# Allegro board RK_NVR_DEMO1_RK3588_LP4XD200P232SD8_V21_20211228_final_lint.brd (continued)
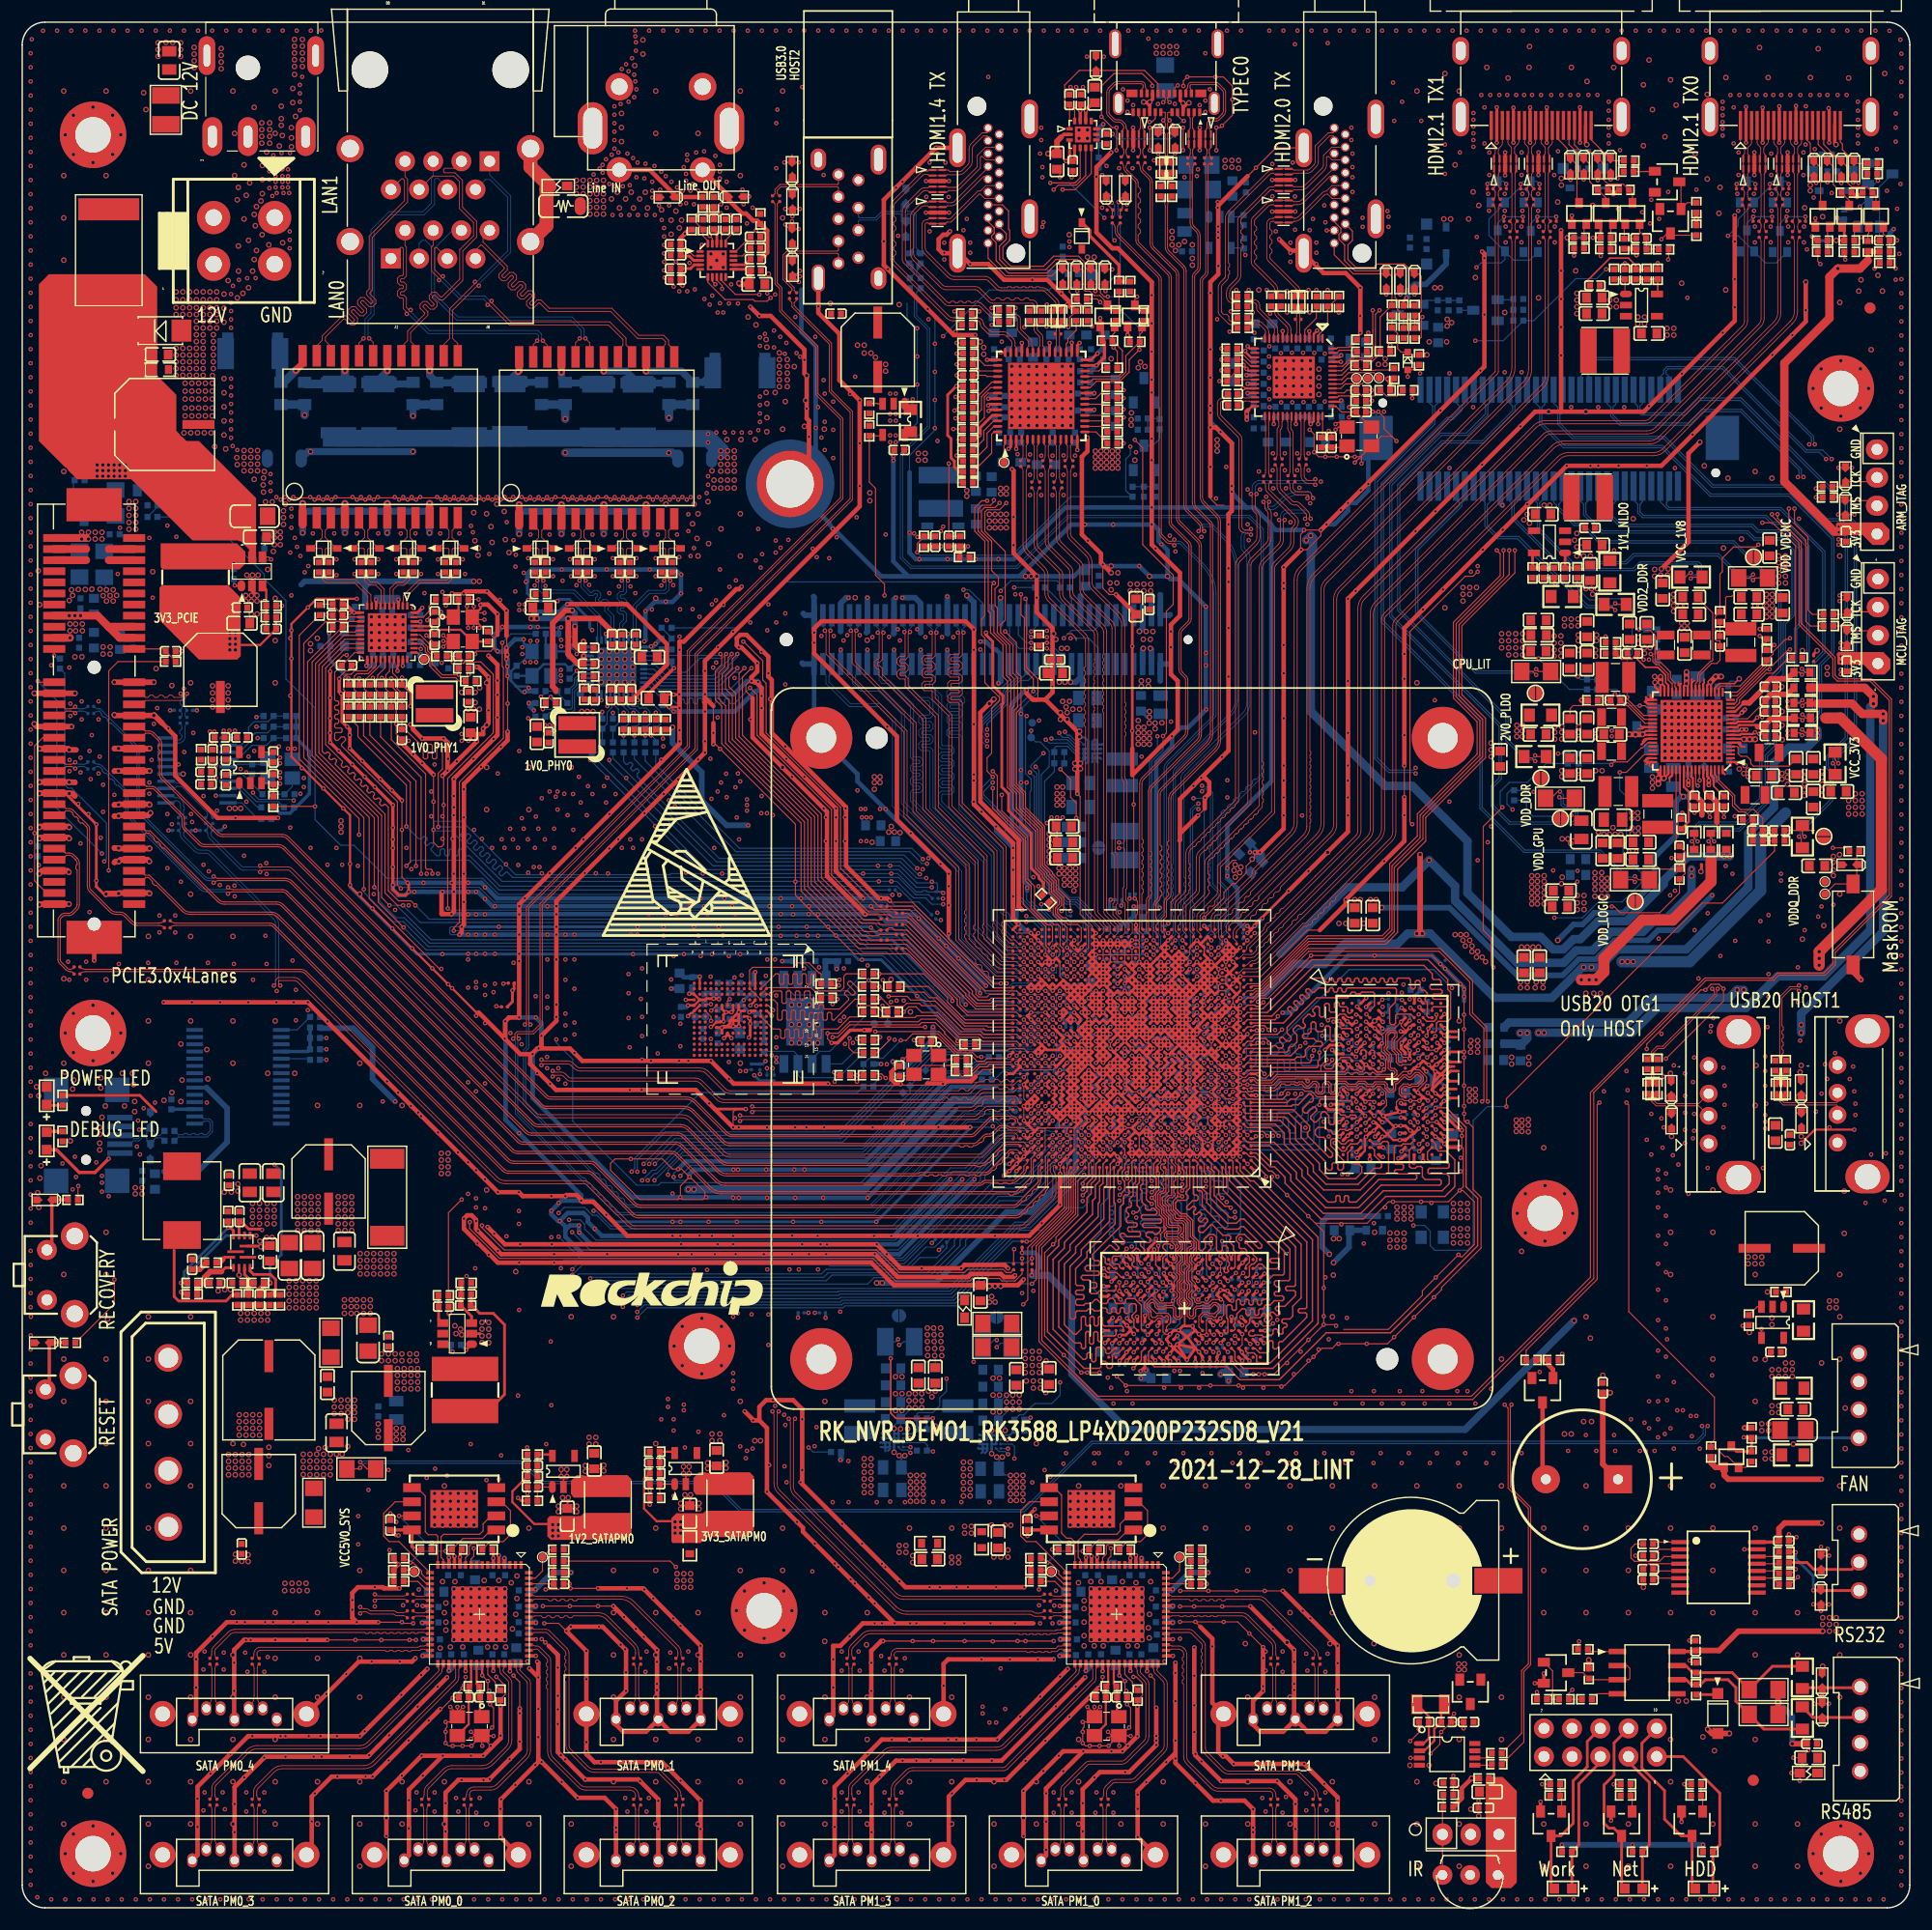
[diagram p0: board, top side]
## Footprints (pads in the part's own frame, mm; a bottom-side part is the same pattern mirrored in y, then rotated) (continued)
Y34(10.725,-1.625)
C0201
  custom 0.294x0.3 smd: 1(-0.25,0) 2(0.25,0)
C0402
  rect 0.55x0.55 smd: 1(-0.45,0) 2(0.45,0)
C0402_BGA
  custom 0.475x0.51 smd: 1(-0.47,0) 2(0.47,0)
C0603
  rect 0.8x0.9 smd: 1(-0.7,0) 2(0.7,0)
C0805
  rect 0.95x1.3 smd: 1(-0.825,0) 2(0.825,0)
C1206
  rect 1.4x1.6 smd: 1(-1.168,0) 2(1.168,0)
C1206L
  oval 1.016x1.626 smd: 1(-1.524,0) 2(1.524,0)
CN3M_2R54_V_DIP
  oval 1.8x2 hole 1: 1(0,0) 2(2.54,0) 3(5.08,0)
CN3M_2R54_V_P_DIP
  round 1.5 hole 1.02: 1(-2.54,0) 2(0,0) 3(2.54,0)
CN4M_2R54_V_DIP
  oval 1.8x2 hole 1: 1(0,0) 2(2.54,0) 3(5.08,0) 4(7.62,0)
CN4M_2R54_V_P_DIP
  round 1.5 hole 1.02: 1(-3.81,0) 2(-1.27,0) 3(1.27,0) 4(3.81,0)
CNN4F_4R20_V_H_DIP
  round 3 hole 1.5: 1(0,0) 2(4.2,0) 3(0,-5.5) 4(4.2,-5.5)
CNN10M_2R54_V_DIP
  round 1.8 hole 1: 1(-5.14,-1.343) 2(-5.14,1.197) 3(-2.6,-1.343) 4(-2.6,1.197) 5(-0.06,-1.343) 6(-0.06,1.197) 7(2.48,-1.343) 8(2.48,1.197) 9(5.02,-1.343) 10(5.02,1.197)
CNN60_0R80_B406
  round 0.8 hole 0.8 unplated: (-15,-3.15) (15,3.15)
  rect 0.55x2.35 smd: 1(-11.6,4.35) 3(-10.8,4.35) 5(-10,4.35) 7(-9.2,4.35) 9(-8.4,4.35) 11(-7.6,4.35) 13(-6.8,4.35) 15(-6,4.35) 17(-5.2,4.35) 19(-4.4,4.35) 21(-3.6,4.35) 23(-2.8,4.35) 25(-2,4.35) 27(-1.2,4.35) 29(-0.4,4.35) 31(0.4,4.35) 33(1.2,4.35) 35(2,4.35) 37(2.8,4.35) 39(3.6,4.35) 41(4.4,4.35) 43(5.2,4.35) 45(6,4.35) 47(6.8,4.35) 49(7.6,4.35) 51(8.4,4.35) 53(9.2,4.35) 55(10,4.35) 57(10.8,4.35) 59(11.6,4.35)
  rect 0.55x2.65 smd: 2(-11.6,-4.35) 4(-10.8,-4.35) 6(-10,-4.35) 8(-9.2,-4.35) 10(-8.4,-4.35) 12(-7.6,-4.35) 14(-6.8,-4.35) 16(-6,-4.35) 18(-5.2,-4.35) 20(-4.4,-4.35) 22(-3.6,-4.35) 24(-2.8,-4.35) 26(-2,-4.35) 28(-1.2,-4.35) 30(-0.4,-4.35) 32(0.4,-4.35) 34(1.2,-4.35) 36(2,-4.35) 38(2.8,-4.35) 40(3.6,-4.35) 42(4.4,-4.35) 44(5.2,-4.35) 46(6,-4.35) 48(6.8,-4.35) 50(7.6,-4.35) 52(8.4,-4.35) 54(9.2,-4.35) 56(10,-4.35) 58(10.8,-4.35) 60(11.6,-4.35)
  rect 3x4 smd: 61(15.6,0) 62(-15.6,0)
CNN80M_0R80_61082
  round 0.8 hole 0.8 unplated: (-18.1,0)
  round 1.2 hole 1.2 unplated: (18.1,0)
  rect 0.5x2 smd: 1(15.6,2.2) 2(15.6,-2.2) 3(14.8,2.2) 4(14.8,-2.2) 5(14,2.2) 6(14,-2.2) 7(13.2,2.2) 8(13.2,-2.2) 9(12.4,2.2) 10(12.4,-2.2) 11(11.6,2.2) 12(11.6,-2.2) 13(10.8,2.2) 14(10.8,-2.2) 15(10,2.2) 16(10,-2.2) 17(9.2,2.2) 18(9.2,-2.2) 19(8.4,2.2) 20(8.4,-2.2) 21(7.6,2.2) 22(7.6,-2.2) 23(6.8,2.2) 24(6.8,-2.2) 25(6,2.2) 26(6,-2.2) 27(5.2,2.2) 28(5.2,-2.2) 29(4.4,2.2) 30(4.4,-2.2) 31(3.6,2.2) 32(3.6,-2.2) 33(2.8,2.2) 34(2.8,-2.2) 35(2,2.2) 36(2,-2.2) 37(1.2,2.2) 38(1.2,-2.2) 39(0.4,2.2) 40(0.4,-2.2) 41(-0.4,2.2) 42(-0.4,-2.2) 43(-1.2,2.2) 44(-1.2,-2.2) 45(-2,2.2) 46(-2,-2.2) 47(-2.8,2.2) 48(-2.8,-2.2) 49(-3.6,2.2) 50(-3.6,-2.2) 51(-4.4,2.2) 52(-4.4,-2.2) 53(-5.2,2.2) 54(-5.2,-2.2) 55(-6,2.2) 56(-6,-2.2) 57(-6.8,2.2) 58(-6.8,-2.2) 59(-7.6,2.2) 60(-7.6,-2.2) 61(-8.4,2.2) 62(-8.4,-2.2) 63(-9.2,2.2) 64(-9.2,-2.2) 65(-10,2.2) 66(-10,-2.2) 67(-10.8,2.2) 68(-10.8,-2.2) 69(-11.6,2.2) 70(-11.6,-2.2) 71(-12.4,2.2) 72(-12.4,-2.2) 73(-13.2,2.2) 74(-13.2,-2.2) 75(-14,2.2) 76(-14,-2.2) 77(-14.8,2.2) 78(-14.8,-2.2) 79(-15.6,2.2) 80(-15.6,-2.2)
CRY2_3R20X1R50X0R90
  rect 1x1.8 smd: 1(-1.25,0) 2(1.25,0)
CRY4_3R20X2R50X0R80
  rect 1.4x1.2 smd: 1(-1.1,-0.85) 2(1.1,-0.85) 3(1.1,0.85) 4(-1.1,0.85)
DC3_DC_0007_5P
  round 2.2 hole 2.2 unplated: (4.1,0)
  oval 3.5x1.8 hole 2x0.8: 1(10.3,-3.2) 2(10.3,0) 3(10.3,5.2)
  oval 3.5x1.5 hole 2x0.6: 4(3,6.1) 5(3,-3.7)
DO_214AC
  rect 1.8x2 smd: 1(1.9,0) 2(-1.9,0)
E_C6
  rect 0.8x2.9 smd: 1(0,-2.45) 2(0,2.45)
E_E7
  rect 2.9x0.8 smd: 1(-3.05,0) 2(3.05,0)
ESD0402
  custom 0.868x0.636 smd: 1(-0.635,-0.02)
  custom 0.86x0.636 smd: 2(0.622,0)
F8050
  rect 2x5.5 smd: 1(-3.7,0) 2(3.7,0)
HDMIA19_51R019S
  round 1.7 hole 1.7 unplated: (-3.5,13.25) (0,0)
  round 0.8 hole 0.55: 1(-1,1.955) 2(-2,2.533) 3(-1,3.11) 4(-2,3.688) 5(-1,4.265) 6(-2,4.843) 7(-1,5.42) 8(-2,5.998) 9(-1,6.575) 10(-2,7.153) 11(-1,7.73) 12(-2,8.308) 13(-1,8.885) 14(-2,9.463) 15(-1,10.04) 16(-2,10.618) 17(-1,11.195) 18(-2,11.773) 19(-1,12.35)
  oval 1.5x3.5 hole 0.9x2.7: 20(1.75,13.25) 21(1.75,3.75) 22(-4.75,1.15) 23(-4.75,10.15)
HDMIA19_HDMI_01A
  rect 0.3x2.6 smd: 1(0,0) 2(0.5,0) 3(1,0) 4(1.5,0) 5(2,0) 6(2.5,0) 7(3,0) 8(3.5,0) 9(4,0) 10(4.5,0) 11(5,0) 12(5.5,0) 13(6,0) 14(6.5,0) 15(7,0) 16(7.5,0) 17(8,0) 18(8.5,0) 19(9,0)
  oval 1.5x3.5 hole 0.9x2.7: 20(11.75,0.76) 21(-2.75,0.76)
  oval 1.5x2.5 hole 0.9x1.7: 22(-2.75,6.72) 23(11.75,6.72)
HOLE_C3R20_C6R00
  round 6 hole 3.2: 1(0,0)
IJ3_IRM_3638
  round 1.778 hole 0.89: 1(-2.489,0) 2(0,0) 3(2.489,0)
IND_201610
  rect 0.8x1.6 smd: 1(-0.9,0) 2(0.9,0)
IND_303015
  rect 3.4x1.3 smd: 1(0,1.05) 2(0,-1.05)
IND_322512
  rect 1.2x2.8 smd: 1(-1.2,0) 2(1.2,0)
IND_404026
  rect 1.5x4 smd: 1(-1.5,0) 2(1.5,0)
IND_606045
  rect 2.2x6 smd: 1(-1.9,0) 2(1.9,0)
IND_707028
  rect 2.5x3.4 smd: 1(-3.1,0) 2(3.1,0)
L0603
  rect 0.965x0.8 smd: 1(-0.8,0) 2(0.8,0)
LED0603
  rect 0.9x0.9 smd: 1(-0.8,0) 2(0.8,0)
MARK
  round 1 smd: 1(0,0)
MLP14_2R50X2R50X0R80
  rect 0.6x0.3 smd: 1(-1.21,0.5) 2(-1.21,0) 3(-1.21,-0.5) 8(1.21,-0.5) 9(1.21,0) 10(1.21,0.5)
  rect 0.3x0.6 smd: 4(-0.75,-1.21) 5(-0.25,-1.21) 6(0.25,-1.21) 7(0.75,-1.21) 11(0.75,1.21) 12(0.25,1.21) 13(-0.25,1.21) 14(-0.75,1.21)
  rect 1.45x1.45 smd: 15(0,0)
OPEN
  custom 1.199x0.599 smd: 1(0,-0.343) 2(0,0.343)
PCIE64_X4_SMT
  round 1.2 hole 1.2 unplated: (0,0) (23.15,0)
  rect 3x5 smd: 1(-14.65,0) 2(24.35,0)
  rect 0.7x2 smd: A1(-11.65,3.6) A2(-10.65,3.6) A3(-9.65,3.6) A4(-8.65,3.6) A5(-7.65,3.6) A6(-6.65,3.6) A7(-5.65,3.6) A8(-4.65,3.6) A9(-3.65,3.6) A10(-2.65,3.6) A11(-1.65,3.6) A12(1.35,3.6) A13(2.35,3.6) A14(3.35,3.6) A15(4.35,3.6) A16(5.35,3.6) A17(6.35,3.6) A18(7.35,3.6) A19(8.35,3.6) A20(9.35,3.6) A21(10.35,3.6) A22(11.35,3.6) A23(12.35,3.6) A24(13.35,3.6) A25(14.35,3.6) A26(15.35,3.6) A27(16.35,3.6) A28(17.35,3.6) A29(18.35,3.6) A30(19.35,3.6) A31(20.35,3.6) A32(21.35,3.6) B1(-11.65,-3.6) B2(-10.65,-3.6) B3(-9.65,-3.6) B4(-8.65,-3.6) B5(-7.65,-3.6) B6(-6.65,-3.6) B7(-5.65,-3.6) B8(-4.65,-3.6) B9(-3.65,-3.6) B10(-2.65,-3.6) B11(-1.65,-3.6) B12(1.35,-3.6) B13(2.35,-3.6) B14(3.35,-3.6) B15(4.35,-3.6) B16(5.35,-3.6) B17(6.35,-3.6) B18(7.35,-3.6) B19(8.35,-3.6) B20(9.35,-3.6) B21(10.35,-3.6) B22(11.35,-3.6) B23(12.35,-3.6) B24(13.35,-3.6) B25(14.35,-3.6) B26(15.35,-3.6) B27(16.35,-3.6) B28(17.35,-3.6) B29(18.35,-3.6) B30(19.35,-3.6) B31(20.35,-3.6) B32(21.35,-3.6)
PJ3_RCA_2X1
  oval 2.7x4.7 hole 1.7x3.7: (-6.15,0) (6.15,0)
  round 2.5 hole 1.5: 1(-3.75,3.75) 4(3.75,3.75)
  round 2.3 hole 1.3: 2(-3.75,-3.75) 3(3.75,-3.75)
QFN12_2R00X3R00X1R00
  rect 1.5x0.25 smd: 1(-0.55,0.5) 2(-0.55,-0.5) 7(0.55,0)
  rect 0.25x0.7 smd: 3(-0.75,-1.45) 4(-0.25,-1.45) 5(0.25,-1.45) 6(0.75,-1.45) 9(0.75,1.45) 10(0.25,1.45) 11(-0.25,1.45) 12(-0.75,1.45)
  rect 0.7x0.25 smd: 8(0.95,0.5)
QFN20_3R00X3R00X0R55_T
  oval 0.7x0.25 smd: 1(-1.5,0.8)
  rect 0.7x0.25 smd: 2(-1.5,0.4) 3(-1.5,0) 4(-1.5,-0.4) 5(-1.5,-0.8) 11(1.5,-0.8) 12(1.5,-0.4) 13(1.5,0) 14(1.5,0.4) 15(1.5,0.8)
  rect 0.25x0.7 smd: 6(-0.8,-1.5) 7(-0.4,-1.5) 8(0,-1.5) 9(0.4,-1.5) 10(0.8,-1.5) 16(0.8,1.5) 17(0.4,1.5) 18(0,1.5) 19(-0.4,1.5) 20(-0.8,1.5)
  rect 1.8x1.8 smd: 21(0,0)
QFN40_5R00X5R00X0R90_T
  rect 0.65x0.23 smd: 1(-2.4,1.8) 2(-2.4,1.4) 3(-2.4,1) 4(-2.4,0.6) 5(-2.4,0.2) 6(-2.4,-0.2) 7(-2.4,-0.6) 8(-2.4,-1) 9(-2.4,-1.4) 10(-2.4,-1.8) 21(2.4,-1.8) 22(2.4,-1.4) 23(2.4,-1) 24(2.4,-0.6) 25(2.4,-0.2) 26(2.4,0.2) 27(2.4,0.6) 28(2.4,1) 29(2.4,1.4) 30(2.4,1.8)
  rect 0.23x0.65 smd: 11(-1.8,-2.4) 12(-1.4,-2.4) 13(-1,-2.4) 14(-0.6,-2.4) 15(-0.2,-2.4) 16(0.2,-2.4) 17(0.6,-2.4) 18(1,-2.4) 19(1.4,-2.4) 20(1.8,-2.4) 31(1.8,2.4) 32(1.4,2.4) 33(1,2.4) 34(0.6,2.4) 35(0.2,2.4) 36(-0.2,2.4) 37(-0.6,2.4) 38(-1,2.4) 39(-1.4,2.4) 40(-1.8,2.4)
  rect 3.5x3.5 smd: 41(0,0)
QFN56_7R00X7R00X0R90_T
  rect 0.8x0.2 smd: 1(-3.5,2.6)
  oval 0.8x0.2 smd: 2(-3.5,2.2) 3(-3.5,1.8) 4(-3.5,1.4) 5(-3.5,1) 6(-3.5,0.6) 7(-3.5,0.2) 8(-3.5,-0.2) 9(-3.5,-0.6) 10(-3.5,-1) 11(-3.5,-1.4) 12(-3.5,-1.8) 13(-3.5,-2.2) 14(-3.5,-2.6) 29(3.5,-2.6) 30(3.5,-2.2) 31(3.5,-1.8) 32(3.5,-1.4) 33(3.5,-1) 34(3.5,-0.6) 35(3.5,-0.2) 36(3.5,0.2) 37(3.5,0.6) 38(3.5,1) 39(3.5,1.4) 40(3.5,1.8) 41(3.5,2.2) 42(3.5,2.6)
  oval 0.2x0.8 smd: 15(-2.6,-3.5) 16(-2.2,-3.5) 17(-1.8,-3.5) 18(-1.4,-3.5) 19(-1,-3.5) 20(-0.6,-3.5) 21(-0.2,-3.5) 22(0.2,-3.5) 23(0.6,-3.5) 24(1,-3.5) 25(1.4,-3.5) 26(1.8,-3.5) 27(2.2,-3.5) 28(2.6,-3.5) 43(2.6,3.5) 44(2.2,3.5) 45(1.8,3.5) 46(1.4,3.5) 47(1,3.5) 48(0.6,3.5) 49(0.2,3.5) 50(-0.2,3.5) 51(-0.6,3.5) 52(-1,3.5) 53(-1.4,3.5) 54(-1.8,3.5) 55(-2.2,3.5) 56(-2.6,3.5)
  rect 3.8x3.8 smd: 57(0,0)
QFN56_8R00X8R00X0R90_T
  rect 0.85x0.25 smd: 1(-3.925,3.25)
  oval 0.85x0.25 smd: 2(-3.925,2.75) 3(-3.925,2.25) 4(-3.925,1.75) 5(-3.925,1.25) 6(-3.925,0.75) 7(-3.925,0.25) 8(-3.925,-0.25) 9(-3.925,-0.75) 10(-3.925,-1.25) 11(-3.925,-1.75) 12(-3.925,-2.25) 13(-3.925,-2.75) 14(-3.925,-3.25) 29(3.925,-3.25) 30(3.925,-2.75) 31(3.925,-2.25) 32(3.925,-1.75) 33(3.925,-1.25) 34(3.925,-0.75) 35(3.925,-0.25) 36(3.925,0.25) 37(3.925,0.75) 38(3.925,1.25) 39(3.925,1.75) 40(3.925,2.25) 41(3.925,2.75) 42(3.925,3.25)
  oval 0.25x0.85 smd: 15(-3.25,-3.925) 16(-2.75,-3.925) 17(-2.25,-3.925) 18(-1.75,-3.925) 19(-1.25,-3.925) 20(-0.75,-3.925) 21(-0.25,-3.925) 22(0.25,-3.925) 23(0.75,-3.925) 24(1.25,-3.925) 25(1.75,-3.925) 26(2.25,-3.925) 27(2.75,-3.925) 28(3.25,-3.925) 43(3.25,3.925) 44(2.75,3.925) 45(2.25,3.925) 46(1.75,3.925) 47(1.25,3.925) 48(0.75,3.925) 49(0.25,3.925) 50(-0.25,3.925) 51(-0.75,3.925) 52(-1.25,3.925) 53(-1.75,3.925) 54(-2.25,3.925) 55(-2.75,3.925) 56(-3.25,3.925)
  rect 6x6 smd: 57(0,0)
QFN64_9R00X9R00X0R90_T
  rect 0.7x0.3 smd: 1(-4.45,3.75) 2(-4.45,3.25) 3(-4.45,2.75) 4(-4.45,2.25) 5(-4.45,1.75) 6(-4.45,1.25) 7(-4.45,0.75) 8(-4.45,0.25) 9(-4.45,-0.25) 10(-4.45,-0.75) 11(-4.45,-1.25) 12(-4.45,-1.75) 13(-4.45,-2.25) 14(-4.45,-2.75) 15(-4.45,-3.25) 16(-4.45,-3.75) 33(4.45,-3.75) 34(4.45,-3.25) 35(4.45,-2.75) 36(4.45,-2.25) 37(4.45,-1.75) 38(4.45,-1.25) 39(4.45,-0.75) 40(4.45,-0.25) 41(4.45,0.25) 42(4.45,0.75) 43(4.45,1.25) 44(4.45,1.75) 45(4.45,2.25) 46(4.45,2.75) 47(4.45,3.25) 48(4.45,3.75)
  rect 0.3x0.7 smd: 17(-3.75,-4.45) 18(-3.25,-4.45) 19(-2.75,-4.45) 20(-2.25,-4.45) 21(-1.75,-4.45) 22(-1.25,-4.45) 23(-0.75,-4.45) 24(-0.25,-4.45) 25(0.25,-4.45) 26(0.75,-4.45) 27(1.25,-4.45) 28(1.75,-4.45) 29(2.25,-4.45) 30(2.75,-4.45) 31(3.25,-4.45) 32(3.75,-4.45) 49(3.75,4.45) 50(3.25,4.45) 51(2.75,4.45) 52(2.25,4.45) 53(1.75,4.45) 54(1.25,4.45) 55(0.75,4.45) 56(0.25,4.45) 57(-0.25,4.45) 58(-0.75,4.45) 59(-1.25,4.45) 60(-1.75,4.45) 61(-2.25,4.45) 62(-2.75,4.45) 63(-3.25,4.45) 64(-3.75,4.45)
  rect 5x5 smd: 65(0,0)
QFN68_7R00X7R00X0R80_T
  oval 0.8x0.2 smd: 1(-3.5,2.8)
  rect 0.8x0.2 smd: 2(-3.5,2.45) 3(-3.5,2.1) 4(-3.5,1.75) 5(-3.5,1.4) 6(-3.5,1.05) 7(-3.5,0.7) 8(-3.5,0.35) 9(-3.5,0) 10(-3.5,-0.35) 11(-3.5,-0.7) 12(-3.5,-1.05) 13(-3.5,-1.4) 14(-3.5,-1.75) 15(-3.5,-2.1) 16(-3.5,-2.45) 17(-3.5,-2.8) 35(3.5,-2.8) 36(3.5,-2.45) 37(3.5,-2.1) 38(3.5,-1.75) 39(3.5,-1.4) 40(3.5,-1.05) 41(3.5,-0.7) 42(3.5,-0.35) 43(3.5,0) 44(3.5,0.35) 45(3.5,0.7) 46(3.5,1.05) 47(3.5,1.4) 48(3.5,1.75) 49(3.5,2.1) 50(3.5,2.45) 51(3.5,2.8)
  rect 0.2x0.8 smd: 18(-2.8,-3.5) 19(-2.45,-3.5) 20(-2.1,-3.5) 21(-1.75,-3.5) 22(-1.4,-3.5) 23(-1.05,-3.5) 24(-0.7,-3.5) 25(-0.35,-3.5) 26(0,-3.5) 27(0.35,-3.5) 28(0.7,-3.5) 29(1.05,-3.5) 30(1.4,-3.5) 31(1.75,-3.5) 32(2.1,-3.5) 33(2.45,-3.5) 34(2.8,-3.5) 52(2.8,3.5) 53(2.45,3.5) 54(2.1,3.5) 55(1.75,3.5) 56(1.4,3.5) 57(1.05,3.5) 58(0.7,3.5) 59(0.35,3.5) 60(0,3.5) 61(-0.35,3.5) 62(-0.7,3.5) 63(-1.05,3.5) 64(-1.4,3.5) 65(-1.75,3.5) 66(-2.1,3.5) 67(-2.45,3.5) 68(-2.8,3.5)
  rect 5.6x5.6 smd: 69(0,0)
R0201
  custom 0.294x0.3 smd: 1(-0.25,0) 2(0.25,0)
R0402
  rect 0.55x0.55 smd: 1(-0.45,0) 2(0.45,0)
R0603
  rect 0.65x0.8 smd: 1(-0.725,0) 2(0.725,0)
R0805
  rect 1x1.2 smd: 1(-1,0) 2(1,0)
R1206
  rect 1.4x1.6 smd: 1(-1.3,0) 2(1.3,0)
R1210
  rect 1.5x2.5 smd: 1(-1.3,0) 2(1.3,0)
R2512
  rect 1.8x3.1 smd: 1(-3.475,0) 2(3.475,0)
RADIATOR_FAN_65RX65RX20R
  round 2 hole 2 unplated: (-23,28) (23,-28)
  round 5.6 hole 2.7: 1(-28,28) 2(28,28) 3(-28,-28) 4(28,-28)
RJ45_SAE5F8002
  round 3.3 hole 3.3 unplated: (-10.795,-17.02) (1.895,-17.02)
  round 2.45 hole 1.6: 1(-12.575,-1.53) 2(3.675,-1.53) 3(-12.575,-9.91) 4(3.675,-9.91)
  rect 1.8x1.8 hole 1: A1(0,0) B1(-8.89,-8.77)
  round 1.8 hole 1: A2(-1.27,-2.54) A3(-2.54,0) A4(-3.81,-2.54) A5(-5.08,0) A6(-6.35,-2.54) A7(-7.62,0) A8(-8.89,-2.54) B2(-7.62,-6.23) B3(-6.35,-8.77) B4(-5.08,-6.23) B5(-3.81,-8.77) B6(-2.54,-6.23) B7(-1.27,-8.77) B8(0,-6.23)
RP2_0405
  rect 0.5x0.3 smd: 1(-0.625,-0.275) 2(0.625,-0.275) 3(-0.625,0.275) 4(0.625,0.275)
SATA30_7P_V_DIP
  oval 0.92x1.27 hole 0.74: 1(0,0) 2(-1.27,1) 3(-2.54,1) 4(-3.81,0) 5(-5.08,1) 6(-6.35,1) 7(-7.62,0)
  round 2.35 hole 1.35: 8(2.67,0.5) 9(-10.29,0.5)
SATA-IDE4M_5R08_DIP
  round 2.5 hole 1.8: 1(0,0) 2(5.08,0) 3(10.16,0) 4(15.24,0)
SMB_F
  rect 1.5x2.8 smd: 1(-2.45,0) 2(2.45,0)
SMTSO_M3_C4R1_C6R0_L5R0
  round 6 hole 4.3: 1(0,0)
SOD_123
  rect 1x1 smd: 1(-1.8,0) 2(1.8,0)
SOD_323
  rect 0.8x0.6 smd: 1(-1.2,0) 2(1.2,0)
SOD_523
  rect 0.6x0.6 smd: 1(0,0.8) 2(0,-0.8)
SOIC24_17R53X12R20X5R51
  oval 0.76x1.95 smd: 1(-6.99,-7.303)
  rect 0.76x1.95 smd: 2(-5.72,-7.303) 3(-4.45,-7.303) 4(-3.18,-7.303) 5(-1.91,-7.303) 6(-0.64,-7.303) 7(0.64,-7.303) 8(1.91,-7.303) 9(3.18,-7.303) 10(4.45,-7.303) 11(5.72,-7.303) 12(6.985,-7.303) 13(6.985,7.303) 14(5.72,7.303) 15(4.45,7.303) 16(3.18,7.303) 17(1.91,7.303) 18(0.64,7.303) 19(-0.64,7.303) 20(-1.91,7.303) 21(-3.18,7.303) 22(-4.45,7.303) 23(-5.72,7.303) 24(-6.99,7.303)
SON10_2R50X1R00X0R50
  rect 0.2x0.68 smd: 1(-1,-0.437) 2(-0.5,-0.437) 4(0.5,-0.437) 5(1,-0.437) 6(1,0.437) 7(0.5,0.437) 9(-0.5,0.437) 10(-1,0.437)
  rect 0.4x0.75 smd: 3(0,-0.395) 8(0,0.395)
SOP8_4R00X5R00X1R75
  rect 0.5x1.6 smd: 1(-1.905,-2.675) 2(-0.635,-2.675) 3(0.635,-2.675) 4(1.905,-2.675) 5(1.905,2.675) 6(0.635,2.675) 7(-0.635,2.675) 8(-1.905,2.675)
SOT_23
  rect 0.8x1.1 smd: 1(-0.95,-1.1) 2(0.95,-1.1) 3(0,1.1)
SOT_23_5
  oval 1.1x0.6 smd: 1(0,0)
  rect 1.1x0.6 smd: 2(0,-1) 3(0,-2) 4(2.8,-2) 5(2.8,0)
SOT_23_6
  oval 1x0.7 smd: 1(-1.3,0.95)
  rect 1x0.7 smd: 2(-1.3,0) 3(-1.3,-0.95) 4(1.3,-0.95) 5(1.3,0) 6(1.3,0.95)
SOT_323
  rect 0.7x0.9 smd: 1(-0.65,-0.95) 2(0.65,-0.95) 3(0,0.95)
SSOP16_5R60X6R50X2R00
  rect 1.6x0.38 smd: 1(-3.45,2.275) 2(-3.45,1.625) 3(-3.45,0.975) 4(-3.45,0.325) 5(-3.45,-0.325) 6(-3.45,-0.975) 7(-3.45,-1.625) 8(-3.45,-2.275) 9(3.45,-2.275) 10(3.45,-1.625) 11(3.45,-0.975) 12(3.45,-0.325) 13(3.45,0.325) 14(3.45,0.975) 15(3.45,1.625) 16(3.45,2.275)
SSOP28_10R20X5R30X2R00
  rect 0.35x1.5 smd: 1(-4.225,-3.9) 2(-3.575,-3.9) 3(-2.925,-3.9) 4(-2.275,-3.9) 5(-1.625,-3.9) 6(-0.975,-3.9) 7(-0.325,-3.9) 8(0.325,-3.9) 9(0.975,-3.9) 10(1.625,-3.9) 11(2.275,-3.9) 12(2.925,-3.9) 13(3.575,-3.9) 14(4.225,-3.9) 15(4.225,3.9) 16(3.575,3.9) 17(2.925,3.9) 18(2.275,3.9) 19(1.625,3.9) 20(0.975,3.9) 21(0.325,3.9) 22(-0.325,3.9) 23(-0.975,3.9) 24(-1.625,3.9) 25(-2.275,3.9) 26(-2.925,3.9) 27(-3.575,3.9) 28(-4.225,3.9)
SW2_6R00X3R70X2R50
  rect 1.2x1.7 smd: 1(0,0) 2(0,7.3)
SW4_6R50X7R00X7R10
  round 1.8 hole 1: 1(-2.25,-1.25) 2(2.25,-1.25)
  round 2.5 hole 1.5: 3(-3.5,1.25) 4(3.5,1.25)
TP_0R70
  round 0.7 smd: 1(0,0)
TSSOP8_3R10X3R10X1R10
  oval 1x0.45 smd: 1(-2.5,0.975)
  rect 1x0.45 smd: 2(-2.5,0.325) 3(-2.5,-0.325) 4(-2.5,-0.975) 5(2.5,-0.975) 6(2.5,-0.325) 7(2.5,0.325) 8(2.5,0.975)
TSSOP20_6R50X4R40X1R20
  rect 1.55x0.3 smd: 1(-2.8,2.925) 2(-2.8,2.275) 3(-2.8,1.625) 4(-2.8,0.975) 5(-2.8,0.325) 6(-2.8,-0.325) 7(-2.8,-0.975) 8(-2.8,-1.625) 9(-2.8,-2.275) 10(-2.8,-2.925) 11(2.8,-2.925) 12(2.8,-2.275) 13(2.8,-1.625) 14(2.8,-0.975) 15(2.8,-0.325) 16(2.8,0.325) 17(2.8,0.975) 18(2.8,1.625) 19(2.8,2.275) 20(2.8,2.925)
TYPEC30_24P_SD-2012670005
  rect 0.3x0.7 smd: A1(-3,3.49) A2(-2.5,3.49) A3(-2,3.49) A4(-1.5,3.49) A5(-1,3.49) A6(-0.5,3.49) A7(0.5,3.49) A8(1,3.49) A9(1.5,3.49) A10(2,3.49) A11(2.5,3.49) A12(3,3.49) B2(2.25,1.79) B3(1.75,1.79) B4(1.25,1.79) B5(0.75,1.79) B6(0.25,1.79) B7(-0.25,1.79) B8(-0.75,1.79) B9(-1.25,1.79) B10(-1.75,1.79) B11(-2.25,1.79)
  rect 1x0.7 smd: B1(3.1,1.79) B12(-3.1,1.79)
  oval 1x2.1 hole 0.6x1.7: H1(-4.32,2.68) H2(4.32,2.68)
  oval 1.1x2.6 hole 0.6x2.2: H3(-4.62,-2.68) H4(4.62,-2.68)
USB20A4_UA04-DHF-PW137
  round 1.6 hole 0.92: 1(-3.5,0) 2(-1,0) 3(1,0) 4(3.5,0)
  oval 3x4 hole 2.3: 5(6.57,-2.71) 6(-6.57,-2.71)
USB20MIN5_USB_M5_03_002
  round 0.9 hole 0.9 unplated: (-0.18,-2.2) (-0.18,2.2)
  rect 2.286x0.508 smd: 1(2.875,1.6) 2(2.875,0.8) 3(2.875,0) 4(2.875,-0.8) 5(2.875,-1.6)
  rect 2.2x2.2 smd: 6(2.625,4.1) 7(2.625,-4.1) 8(-2.875,4.1) 9(-2.875,-4.1)
USB30A9_25R70X7R32X13R85
  round 1.1 hole 0.7: 1(-3.5,-0.9) 2(-1,-0.9) 3(1,-0.9) 4(3.5,-0.9) 5(4,0.9) 6(2,0.9) 7(0,0.9) 8(-2,0.9) 9(-4,0.9)
  oval 2.5x1.2 hole 2.1x0.8: 10(-5.35,2.71)
  oval 2x1.4 hole 1.4x0.7: 11(-5.35,-2.71) 13(5.35,2.71)
  oval 2.7x1.4 hole 2.1x0.8: 12(5.35,-2.71)
WLCSP20_1R65X2R05X0R63
  round 0.24 smd: A1(-0.6,0.8) A2(-0.2,0.8) A3(0.2,0.8) A4(0.6,0.8) B1(-0.6,0.4) B2(-0.2,0.4) B3(0.2,0.4) B4(0.6,0.4) C1(-0.6,0) C2(-0.2,0) C3(0.2,0) C4(0.6,0) D1(-0.6,-0.4) D2(-0.2,-0.4) D3(0.2,-0.4) D4(0.6,-0.4) E1(-0.6,-0.8) E2(-0.2,-0.8) E3(0.2,-0.8) E4(0.6,-0.8)
WSON8_8R00X6R00X0R80_T
  rect 0.8x1.6 smd: 1(-1.905,-3.8) 2(-0.635,-3.8) 3(0.635,-3.8) 4(1.905,-3.8) 5(1.905,3.8) 6(0.635,3.8) 7(-0.635,3.8) 8(-1.905,3.8)
  rect 3.4x4.3 smd: 9(0,0)

## Nets
